# KiCad board architeuthis_dux.kicad_pcb (continued)
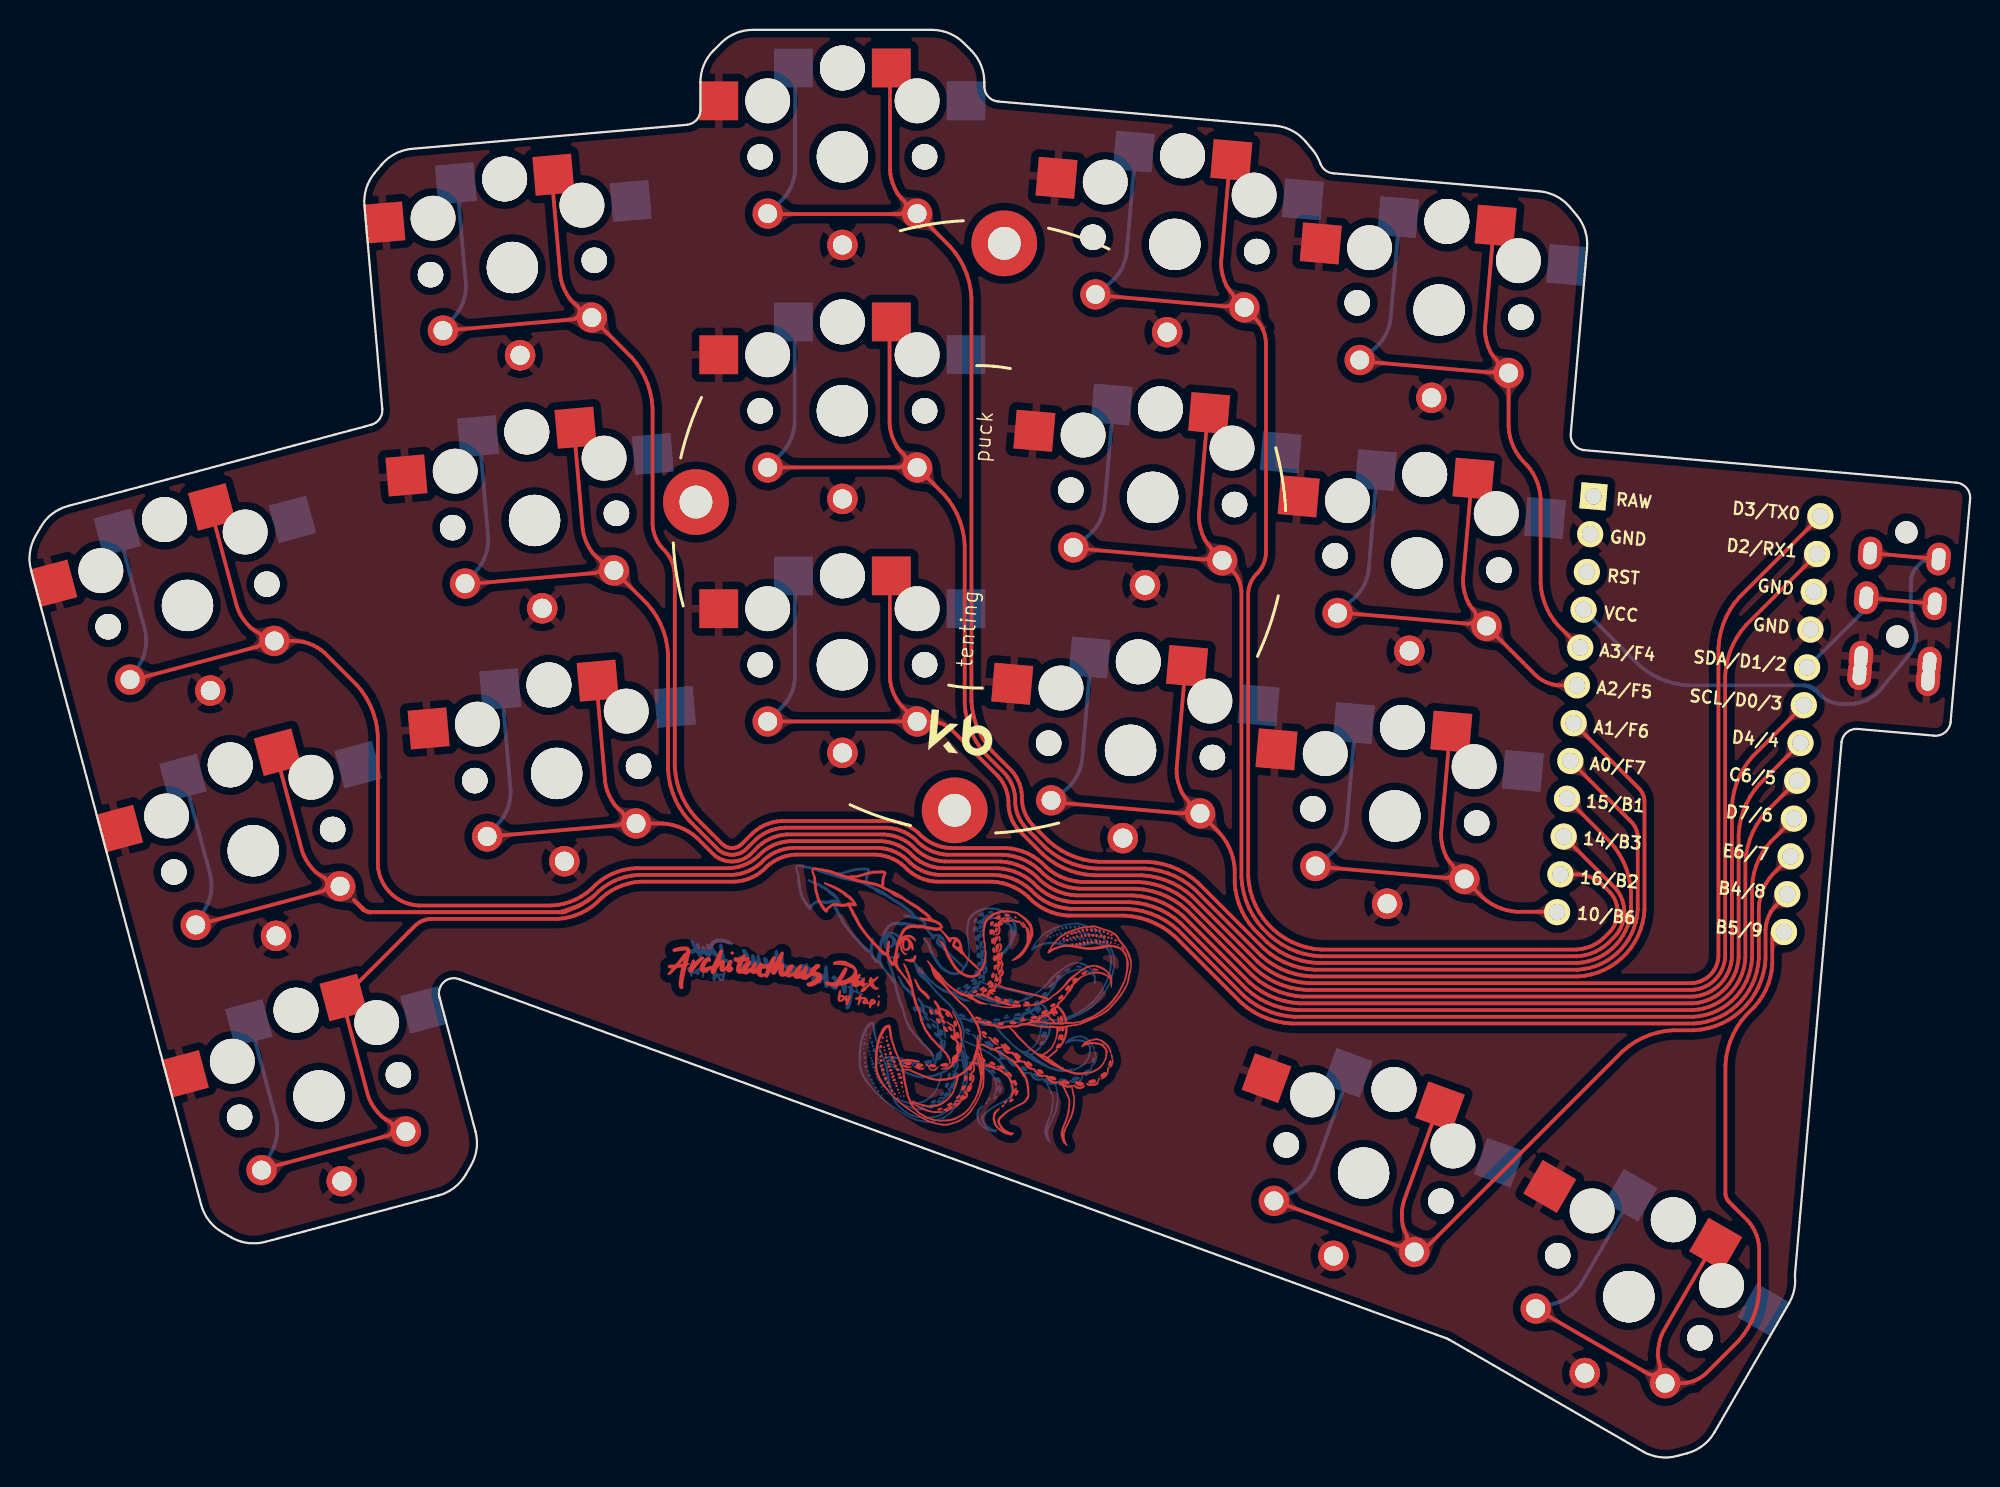
[diagram p0: board, top side]
## Routing (per net, layer and track width the routed paths; a pad name or vN(x,y) marks a point on that pad's centre or on a via; arc(x,y) is an arc through that point) (continued)
  Bottom w0.25: 10.35,45.4 12.08,38.94 12.13,38.63 12.15,38.33 12.14,38.02 12.1,37.72 12.03,37.42 11.94,37.13 11.81,36.85 11.09,35.6
P7: length 140.8
  Top w0.25: 15.49,19.25 23.98,21.53 24.11,21.61 24.22,21.73 24.28,21.88 24.3,22.03 24.28,22.19 24.21,22.33 24.1,22.45 23.81,22.61 23.62,22.75 23.43,22.91 23.27,23.09 23.02,23.41 22.86,23.67 22.73,23.95 22.62,24.23 20.89,30.69 ; C1.22 116.63,39.03 116.41,38.75 116.21,38.45 116.04,38.14 115.9,37.81 115.8,37.47 115.73,37.12 115.69,36.76 115.69,33.39 115.65,32.95 115.56,32.5 115.43,32.07 115.26,31.65 115.05,31.26 114.79,30.88 114.51,30.53 114.19,30.21 113.84,29.93 113.47,29.68 113.07,29.46 112.65,29.29 112.22,29.16 111.78,29.07 111.33,29.03 84.44,29.03 83.91,29.08 83.38,29.18 82.87,29.34 82.38,29.54 81.91,29.8 81.46,30.09 81.05,30.43 76.63,34.85 76.22,35.19 75.78,35.48 75.3,35.74 74.81,35.94 74.3,36.1 73.77,36.2 73.24,36.25 69.48,36.25 69.11,36.29 68.73,36.36 68.37,36.47 68.01,36.62 67.68,36.8 67.36,37.01 67.07,37.25 66.8,37.52 66.5,37.77 66.19,37.98 65.85,38.16 65.5,38.3 65.13,38.41 64.76,38.49 64.38,38.53 60.66,38.53 60.36,38.55 60.06,38.61 59.77,38.7 59.49,38.82 59.22,38.96 58.97,39.13 58.74,39.32 58.52,39.54 58.29,39.73 58.03,39.9 57.77,40.04 57.49,40.16 57.19,40.25 56.9,40.31 56.59,40.34 51.24,40.34 50.94,40.31 50.64,40.25 50.35,40.16 50.07,40.04 49.8,39.9 49.55,39.73 49.31,39.54 49.1,39.32 48.86,39.13 48.61,38.96 48.34,38.82 48.06,38.7 47.77,38.61 47.47,38.55 47.17,38.53 40.9,38.53 40.48,38.48 40.07,38.4 39.67,38.28 39.28,38.12 38.91,37.92 38.56,37.69 38.24,37.42 37.94,37.13 37.62,36.86 37.27,36.63 36.9,36.43 36.51,36.27 36.11,36.15 35.7,36.07 35.29,36.03 26.82,36.03 26.66,36.01 26.51,35.98 26.35,35.93 26.21,35.87 26.06,35.8 25.93,35.71 25.81,35.61 S1.1
  Bottom w0.25: 15.49,19.25 16.21,20.5 16.34,20.78 16.43,21.07 16.5,21.37 16.54,21.67 16.55,21.98 16.53,22.29 16.48,22.59 14.75,29.05
P8: length 66.1
  Top w0.25: 94.23,23.43 91.95,17.15 91.87,16.85 91.82,16.55 91.81,16.25 91.82,15.84 91.86,15.6 91.92,15.37 92,15.14 92.14,14.84 92.16,14.68 92.13,14.53 92.07,14.38 91.96,14.27 91.82,14.19 91.67,14.15 91.51,14.16 83.25,17.16 ; C1.23 116.79,36.87 116.63,36.68 116.5,36.48 116.38,36.26 116.29,36.04 116.22,35.8 116.17,35.56 116.14,35.32 116.14,33.37 116.1,32.88 116,32.39 115.86,31.92 115.67,31.46 115.43,31.02 115.16,30.61 114.84,30.23 114.49,29.88 114.11,29.56 113.7,29.29 113.26,29.06 112.8,28.87 112.33,28.72 111.84,28.63 111.35,28.58 109.97,28.58 109.44,28.53 108.91,28.42 108.4,28.27 107.91,28.06 107.44,27.81 106.99,27.51 106.58,27.17 93.3,13.89 93.25,13.85 93.2,13.82 93.15,13.79 93.09,13.77 93.04,13.75 92.98,13.74 92.92,13.73 S32.1
  Bottom w0.25: 83.25,17.16 84.56,17.77 84.82,17.93 85.07,18.11 85.3,18.31 85.5,18.54 85.69,18.78 85.85,19.05 85.98,19.32 88.27,25.61
P9: length 66.4
  Top w0.25: 100.74,9.94 108.35,5.55 108.51,5.51 108.67,5.52 108.82,5.58 108.94,5.67 109.03,5.8 109.08,5.95 109.09,6.11 109,6.43 108.96,6.67 108.95,6.91 108.96,7.15 109.01,7.55 109.08,7.85 109.18,8.14 109.3,8.42 112.65,14.21 ; S34.1 110.59,4.95 110.83,4.97 111.07,5.02 111.31,5.09 111.54,5.18 111.75,5.3 111.96,5.44 112.15,5.59 114.31,7.76 114.65,8.17 114.95,8.62 115.2,9.09 115.41,9.58 115.56,10.09 115.67,10.62 115.72,11.15 115.72,13.97 115.69,14.27 115.63,14.56 115.55,14.84 115.43,15.11 115.3,15.37 115.13,15.61 114.95,15.84 113.68,17.1 113.63,17.17 113.58,17.24 113.54,17.31 113.51,17.39 113.49,17.47 113.47,17.56 113.46,17.64 113.46,26.26 113.51,26.78 113.61,27.3 113.77,27.8 113.97,28.29 114.22,28.75 114.51,29.19 114.84,29.59 115.42,30.17 115.7,30.52 115.95,30.89 116.16,31.28 116.33,31.69 116.46,32.12 116.55,32.56 116.59,33 116.59,35.08 116.6,35.09 116.6,35.11 116.61,35.12 116.62,35.13 116.63,35.14 116.65,35.15 116.66,35.15 116.67,35.15 117.22,35.15 117.26,35.15 117.29,35.14 117.32,35.12 117.34,35.09 117.36,35.06 117.37,35.03 117.38,35 117.38,34.81 ; 113.38,14.82 S33.1
  Bottom w0.25: 107.15,17.38 103.8,11.59 103.63,11.34 103.42,11.11 103.2,10.9 102.96,10.72 102.7,10.56 102.42,10.42 102.14,10.31 100.74,9.94
P10: length 36.2
  Top w0.25: C1.12 102.18,36.5 102.17,36.51 102.16,36.51 99.55,36.51 99.18,36.54 98.82,36.62 98.47,36.72 98.13,36.86 97.81,37.04 97.5,37.24 97.21,37.48 S26.1 ; 86.03,39.54 94.79,38.77 94.94,38.81 95.08,38.88 95.19,39 95.27,39.14 95.3,39.29 95.28,39.45 95.22,39.6 95,39.85 94.87,40.05 94.75,40.26 94.66,40.48 94.54,40.87 94.47,41.17 94.44,41.47 94.44,41.78 95.02,48.44
  Bottom w0.25: 86.03,39.54 87.14,40.47 87.35,40.69 87.55,40.92 87.71,41.18 87.85,41.45 87.97,41.74 88.05,42.03 88.11,42.33 88.69,48.99
P14: length 87.6
  Top w0.25: C1.10 106.07,38.11 106.22,37.93 106.35,37.73 106.47,37.52 106.56,37.3 106.62,37.08 106.67,36.85 106.69,36.61 106.69,36.37 106.67,36.14 106.62,35.91 106.56,35.68 106.47,35.46 106.35,35.25 106.22,35.06 106.07,34.87 105.59,34.39 105.34,34.19 105.07,34 104.77,33.85 104.47,33.72 104.15,33.62 103.83,33.56 103.5,33.53 86.35,33.53 85.82,33.58 85.3,33.68 84.79,33.84 84.29,34.04 83.82,34.3 83.38,34.59 82.96,34.93 82.48,35.42 82.14,35.83 81.84,36.27 81.59,36.75 81.39,37.24 81.23,37.75 81.13,38.28 81.07,38.81 81.07,57.94 81.05,58.15 81.01,58.36 80.95,58.57 80.87,58.77 80.76,58.96 80.64,59.14 80.51,59.31 S22.1 ; 78.81,69.75 78.23,63.09 78.24,62.79 78.27,62.48 78.33,62.18 78.45,61.8 78.55,61.57 78.66,61.36 78.8,61.16 79.01,60.91 79.08,60.76 79.09,60.61 79.06,60.45 78.99,60.31 78.88,60.2 78.74,60.12 78.59,60.09 69.83,60.85
  Bottom w0.25: 72.49,70.31 71.91,63.64 71.85,63.34 71.76,63.05 71.65,62.77 71.51,62.49 71.34,62.24 71.15,62 70.94,61.78 69.83,60.85
P15: length 75
  Top w0.25: 68.33,43.86 77.09,43.09 77.24,43.12 77.38,43.2 77.49,43.31 77.57,43.46 77.6,43.61 77.58,43.77 77.52,43.91 77.3,44.17 77.17,44.37 77.05,44.58 76.96,44.8 76.83,45.19 76.77,45.49 76.74,45.79 76.74,46.1 77.32,52.76 ; S20.1 79.6,41.8 79.85,41.49 80.06,41.17 80.25,40.83 80.4,40.47 80.51,40.1 80.59,39.71 80.62,39.33 80.62,38.46 80.67,37.97 80.77,37.49 80.91,37.02 81.1,36.56 81.33,36.13 81.6,35.72 81.91,35.34 82.78,34.48 83.19,34.14 83.63,33.85 84.11,33.59 84.6,33.39 85.11,33.23 85.64,33.13 86.17,33.08 103.52,33.08 103.9,33.11 104.26,33.19 104.62,33.3 104.97,33.44 105.3,33.62 105.61,33.82 105.9,34.06 106.16,34.32 106.4,34.61 106.61,34.93 106.78,35.25 106.93,35.6 107.03,35.96 107.11,36.33 107.14,36.7 107.14,37.82 107.09,38.34 106.99,38.87 106.83,39.37 106.63,39.87 106.38,40.34 106.08,40.78 105.75,41.19 C1.9
  Bottom w0.25: 68.33,43.86 69.44,44.79 69.65,45.01 69.84,45.24 70.01,45.5 70.15,45.77 70.27,46.06 70.35,46.35 70.41,46.65 70.99,53.31
P16: length 102
  Top w0.25: 71.31,77.8 80.07,77.03 80.22,77.06 80.36,77.14 80.47,77.25 80.55,77.39 80.58,77.55 80.56,77.71 80.5,77.85 80.28,78.11 80.15,78.31 80.03,78.52 79.94,78.74 79.81,79.13 79.75,79.43 79.72,79.73 79.71,80.04 80.3,86.7 ; S24.1 82.08,76.15 82.23,75.97 82.36,75.77 82.48,75.55 82.57,75.33 82.64,75.09 82.69,74.86 82.71,74.61 82.71,60.49 82.69,60.29 82.66,60.09 82.6,59.9 82.52,59.72 82.43,59.54 82.32,59.38 82.19,59.22 82.05,59.08 81.92,58.93 81.81,58.76 81.72,58.59 81.64,58.4 81.58,58.21 81.54,58.01 81.52,57.82 81.52,38.89 81.57,38.39 81.67,37.89 81.82,37.4 82.02,36.94 82.25,36.49 82.54,36.06 82.86,35.67 83.22,35.31 83.61,34.99 84.03,34.71 84.48,34.47 84.95,34.27 85.44,34.13 85.94,34.03 86.44,33.98 103.48,33.98 103.76,34.01 104.04,34.06 104.32,34.14 104.58,34.25 104.83,34.39 105.07,34.55 105.29,34.73 105.74,35.17 105.86,35.32 105.97,35.48 106.06,35.65 106.13,35.83 106.19,36.02 106.23,36.2 106.24,36.4 106.24,36.59 106.23,36.78 106.19,36.97 106.13,37.15 106.06,37.33 105.97,37.5 105.86,37.66 105.74,37.81 105.19,38.35 105,38.51 104.79,38.65 104.57,38.77 104.34,38.87 104.1,38.94 103.85,38.99 103.6,39.01 C1.11
  Bottom w0.25: 71.31,77.8 72.42,78.73 72.63,78.94 72.82,79.18 72.99,79.44 73.13,79.71 73.25,80 73.33,80.29 73.39,80.59 73.97,87.25
P18: length 130.5
  Top w0.25: 57.56,92.87 57.56,86.18 57.59,85.87 57.65,85.57 57.73,85.28 57.89,84.91 58,84.69 58.14,84.49 58.29,84.31 58.52,84.07 58.6,83.93 58.63,83.78 58.61,83.62 58.55,83.47 58.45,83.35 58.32,83.26 58.17,83.22 49.38,83.22 ; S18.1 61.6,81.02 61.94,80.61 62.24,80.16 62.49,79.69 62.69,79.2 62.85,78.68 62.95,78.16 63,77.63 63,50.63 63.06,50.1 63.16,49.57 63.32,49.06 63.52,48.57 63.77,48.1 64.07,47.65 64.41,47.24 65.69,45.96 65.85,45.76 66,45.54 66.13,45.3 66.23,45.06 66.3,44.8 66.36,44.54 66.38,44.28 66.38,44.01 66.41,43.75 66.46,43.49 66.54,43.24 66.64,42.99 66.76,42.76 66.91,42.54 67.08,42.33 68.16,41.25 68.57,40.91 69.01,40.62 69.48,40.37 69.98,40.16 70.49,40.01 71.01,39.9 71.54,39.85 74.78,39.85 75.31,39.8 75.84,39.7 76.35,39.54 76.84,39.34 77.32,39.08 77.76,38.79 78.17,38.45 82.59,34.03 83,33.69 83.45,33.4 83.92,33.14 84.41,32.94 84.92,32.78 85.45,32.68 85.98,32.63 103.55,32.63 103.96,32.67 104.37,32.75 104.77,32.87 105.16,33.03 105.53,33.23 105.88,33.46 106.2,33.73 106.5,34.02 106.76,34.35 106.99,34.69 107.19,35.06 107.35,35.45 107.47,35.85 107.55,36.26 107.59,36.68 107.59,41.54 107.58,41.69 107.55,41.83 107.51,41.98 107.45,42.11 107.38,42.25 107.3,42.37 107.2,42.49 C1.8
  Bottom w0.25: 51.21,92.87 51.21,86.18 51.18,85.87 51.12,85.57 51.03,85.28 50.91,85 50.77,84.73 50.6,84.47 50.4,84.24 49.38,83.22
P19: length 117.4
  Top w0.25: 57.53,75.91 57.53,69.22 57.56,68.91 57.62,68.61 57.7,68.32 57.86,67.95 57.97,67.73 58.11,67.53 58.26,67.35 58.49,67.11 58.57,66.97 58.6,66.82 58.58,66.66 58.52,66.51 58.42,66.39 58.29,66.3 58.14,66.26 49.35,66.26 ; S16.1 61.15,64.47 61.49,64.05 61.79,63.61 62.04,63.14 62.24,62.65 62.4,62.13 62.5,61.61 62.55,61.08 62.55,50.44 62.61,49.91 62.71,49.39 62.87,48.87 63.07,48.38 63.32,47.91 63.62,47.46 63.96,47.05 65.24,45.77 65.4,45.57 65.55,45.35 65.68,45.12 65.78,44.87 65.85,44.62 65.91,44.36 65.93,44.09 65.93,43.83 65.96,43.56 66.01,43.3 66.09,43.05 66.19,42.81 66.31,42.57 66.46,42.35 66.63,42.15 67.97,40.81 68.38,40.47 68.83,40.17 69.3,39.92 69.79,39.71 70.3,39.56 70.83,39.46 71.36,39.4 74.57,39.4 75.1,39.35 75.63,39.25 76.14,39.09 76.63,38.89 77.11,38.63 77.55,38.34 77.96,38 82.38,33.58 82.79,33.24 83.24,32.95 83.71,32.69 84.2,32.49 84.71,32.33 85.24,32.23 85.77,32.18 103.57,32.18 104.03,32.22 104.48,32.31 104.93,32.45 105.35,32.62 105.76,32.84 106.14,33.1 106.5,33.39 106.83,33.72 107.12,34.08 107.38,34.46 107.6,34.87 107.77,35.3 107.91,35.74 108,36.19 108.04,36.65 108.04,43.91 108.03,44.04 108.01,44.17 107.97,44.29 107.92,44.41 107.86,44.53 107.78,44.64 107.7,44.74 C1.7
  Bottom w0.25: 51.18,75.91 51.18,69.22 51.15,68.91 51.09,68.61 51,68.32 50.88,68.04 50.74,67.77 50.57,67.51 50.37,67.28 49.35,66.26
P20: length 36.8
  Top w0.25: C1.6 102.36,51.67 102.11,51.69 101.87,51.74 101.64,51.81 101.41,51.9 101.19,52.02 100.98,52.16 100.79,52.31 S28.1 ; 87.5,56.56 96.26,55.79 96.41,55.82 96.55,55.9 96.66,56.01 96.74,56.15 96.77,56.31 96.75,56.47 96.69,56.61 96.47,56.87 96.34,57.07 96.22,57.28 96.13,57.5 96,57.88 95.94,58.18 95.91,58.49 95.9,58.79 96.49,65.46
  Bottom w0.25: 90.16,66.01 89.58,59.35 89.52,59.05 89.44,58.75 89.32,58.47 89.18,58.2 89.01,57.94 88.82,57.7 88.61,57.48 87.5,56.56
P21: length 49.1
  Top w0.25: 97.96,82.27 97.38,75.61 97.38,75.3 97.41,75 97.48,74.7 97.6,74.31 97.69,74.09 97.81,73.88 97.94,73.68 98.16,73.43 98.22,73.28 98.24,73.12 98.21,72.97 98.13,72.83 98.02,72.71 97.88,72.64 97.73,72.61 88.97,73.37 ; C1.5 102.26,55.68 101.98,56.02 101.73,56.39 101.52,56.79 101.35,57.2 101.22,57.62 101.14,58.06 101.09,58.5 101.09,64.16 101.06,64.52 100.99,64.87 100.88,65.22 100.75,65.55 100.58,65.87 100.38,66.16 100.15,66.44 99.9,66.7 99.67,66.97 99.47,67.27 99.3,67.59 99.16,67.92 99.06,68.27 98.99,68.62 98.95,68.98 S30.1
  Bottom w0.25: 88.97,73.37 90.08,74.3 90.29,74.52 90.49,74.76 90.65,75.01 90.79,75.28 90.91,75.57 90.99,75.86 91.05,76.16 91.63,82.83

## Copper pours and planes (outline as drawn; the poured copper is in the pictures)
GND on Top: 132.76,96.63 133.42,-4.69 -7.47,-4.69 -8.13,96.76
GND on Bottom: 132.77,96.65 133.42,-4.67 -7.47,-4.7 -8.13,96.74
VCC on Top: 126.13,60.13 126.32,60.11 126.47,60.07 126.59,60.01 126.69,59.95 126.78,59.88 126.87,59.8 126.96,59.71 127.06,59.62 127.17,59.52 127.31,59.43 128.12,60.08 127.44,60.87 127.28,60.8 127.15,60.73 127.04,60.65 126.94,60.58 126.84,60.52 126.74,60.46 126.62,60.42 126.49,60.39 126.34,60.37 126.15,60.38
VCC on Top: 124.74,60.51 124.55,60.53 124.4,60.57 124.28,60.62 124.17,60.69 124.08,60.76 124,60.84 123.91,60.93 123.81,61.02 123.69,61.11 123.55,61.21 122.74,60.55 123.43,59.77 123.58,59.84 123.71,59.91 123.83,59.98 123.93,60.05 124.03,60.12 124.13,60.17 124.24,60.22 124.37,60.25 124.53,60.26 124.71,60.26
VCC on Bottom: 126.41,59.56 126.51,59.64 126.61,59.69 126.7,59.71 126.79,59.7 126.88,59.68 126.97,59.63 127.06,59.58 127.16,59.52 127.26,59.46 127.38,59.4 128.12,60.12 127.16,60.68 127.04,60.57 126.95,60.47 126.47,59.97 126.36,59.86 126.23,59.73
VCC on Bottom: 105.29,55.58 105.15,55.73 105.05,55.87 104.99,56.01 104.95,56.13 104.92,56.26 104.91,56.39 104.9,56.53 104.88,56.67 104.85,56.83 104.8,57.01 103.66,57.04 103.68,55.9 103.86,55.85 104.02,55.81 104.17,55.8 104.3,55.78 104.43,55.77 104.56,55.75 104.69,55.7 104.82,55.64 104.96,55.54 105.11,55.4
P0 on Top: 118.45,59.14 118.6,59.27 118.74,59.37 118.87,59.44 119,59.48 119.13,59.5 119.26,59.52 119.39,59.53 119.54,59.55 119.7,59.58 119.88,59.63 119.9,60.77 118.77,60.75 118.71,60.57 118.68,60.41 118.66,60.26 118.65,60.12 118.64,59.99 118.61,59.87 118.57,59.74 118.51,59.61 118.41,59.47 118.27,59.31
P0 on Top: 39.12,74.94 38.96,75.12 38.85,75.29 38.77,75.44 38.73,75.59 38.7,75.74 38.69,75.89 38.68,76.05 38.66,76.22 38.62,76.41 38.56,76.62 37.24,76.65 37.27,75.33 37.48,75.27 37.67,75.23 37.84,75.21 38,75.2 38.15,75.19 38.3,75.16 38.45,75.12 38.6,75.04 38.77,74.93 38.94,74.77
P0 on Top: 35.94,77.48 36.12,77.32 36.25,77.16 36.34,77.01 36.4,76.86 36.44,76.72 36.47,76.57 36.5,76.41 36.54,76.24 36.6,76.05 36.68,75.85 38,75.97 37.82,77.28 37.61,77.32 37.42,77.33 37.24,77.33 37.08,77.33 36.93,77.33 36.78,77.34 36.63,77.37 36.47,77.43 36.3,77.53 36.11,77.67
P0 on Top: 35.58,75.97 35.82,75.98 36.02,75.96 36.19,75.92 36.34,75.86 36.47,75.79 36.6,75.7 36.73,75.61 36.88,75.51 37.05,75.42 37.25,75.34 38.11,76.34 37.07,77.16 36.89,77.03 36.74,76.91 36.61,76.79 36.5,76.67 36.39,76.56 36.28,76.47 36.15,76.38 35.99,76.31 35.8,76.26 35.56,76.22
P0 on Top: 29.62,75.7 29.39,75.7 29.19,75.72 29.03,75.76 28.89,75.82 28.76,75.9 28.64,75.99 28.51,76.08 28.37,76.18 28.21,76.27 28.01,76.36 27.13,75.38 28.15,74.54 28.33,74.66 28.48,74.78 28.6,74.89 28.71,75.01 28.82,75.11 28.93,75.21 29.06,75.3 29.22,75.37 29.41,75.42 29.64,75.46
P0 on Bottom: 28.82,77.04 28.66,76.86 28.51,76.74 28.36,76.65 28.22,76.59 28.07,76.56 27.92,76.53 27.77,76.51 27.6,76.47 27.42,76.42 27.21,76.34 27.32,75.03 28.63,75.18 28.67,75.39 28.68,75.58 28.68,75.75 28.68,75.91 28.68,76.06 28.69,76.21 28.72,76.36 28.78,76.51 28.87,76.69 29.01,76.88
P1 on Top: 61.41,49.14 61.26,49.28 61.11,49.39 60.98,49.47 60.85,49.53 60.73,49.57 60.61,49.62 60.49,49.68 60.36,49.74 60.23,49.84 60.09,49.97 58.86,49.25 59.81,48.33 59.99,48.44 60.15,48.57 60.29,48.7 60.42,48.84 60.55,48.97 60.68,49.06 60.8,49.12 60.94,49.14 61.08,49.08 61.24,48.96
P1 on Top: 118.67,61.67 118.82,61.8 118.96,61.9 119.09,61.97 119.22,62.01 119.35,62.03 119.48,62.05 119.61,62.06 119.76,62.08 119.92,62.11 120.1,62.16 120.12,63.3 118.99,63.28 118.93,63.1 118.9,62.94 118.88,62.79 118.87,62.65 118.86,62.52 118.83,62.4 118.79,62.27 118.73,62.14 118.63,62 118.49,61.84
P1 on Top: 57.85,50.59 58.01,50.41 58.12,50.25 58.2,50.09 58.24,49.94 58.27,49.8 58.28,49.64 58.29,49.48 58.31,49.31 58.35,49.12 58.41,48.91 59.73,48.89 59.7,50.21 59.49,50.27 59.31,50.3 59.13,50.32 58.97,50.34 58.82,50.35 58.67,50.37 58.53,50.42 58.37,50.49 58.21,50.61 58.03,50.77
P1 on Top: 57.35,49.12 57.59,49.11 57.78,49.07 57.94,49.02 58.08,48.94 58.2,48.86 58.32,48.76 58.44,48.65 58.58,48.55 58.74,48.44 58.93,48.33 59.88,49.25 58.93,50.16 58.74,50.06 58.58,49.95 58.44,49.84 58.32,49.74 58.2,49.64 58.08,49.55 57.94,49.48 57.78,49.42 57.59,49.38 57.35,49.37
P1 on Top: 51.4,49.37 51.16,49.38 50.96,49.42 50.8,49.48 50.66,49.55 50.54,49.64 50.42,49.74 50.3,49.84 50.16,49.95 50.01,50.06 49.81,50.16 48.86,49.25 49.81,48.33 50.01,48.44 50.16,48.55 50.3,48.65 50.42,48.76 50.54,48.86 50.66,48.94 50.8,49.02 50.96,49.07 51.16,49.11 51.4,49.12
P1 on Bottom: 50.72,50.77 50.54,50.61 50.37,50.49 50.22,50.42 50.07,50.37 49.92,50.35 49.77,50.34 49.61,50.32 49.44,50.3 49.25,50.27 49.04,50.21 49.01,48.89 50.33,48.91 50.39,49.12 50.43,49.31 50.45,49.48 50.46,49.64 50.47,49.8 50.5,49.94 50.54,50.09 50.62,50.25 50.73,50.41 50.89,50.59
P2 on Top: 125.87,57.14 126.05,57.12 126.2,57.08 126.33,57.02 126.43,56.96 126.52,56.89 126.61,56.81 126.7,56.72 126.8,56.63 126.91,56.54 127.05,56.44 127.86,57.09 127.18,57.88 127.02,57.81 126.89,57.74 126.78,57.67 126.68,57.6 126.58,57.53 126.48,57.48 126.36,57.43 126.23,57.4 126.08,57.39 125.89,57.39
P2 on Top: 124.48,57.52 124.29,57.54 124.14,57.58 124.02,57.64 123.91,57.7 123.82,57.77 123.74,57.85 123.65,57.94 123.55,58.03 123.43,58.12 123.29,58.22 122.48,57.57 123.16,56.78 123.32,56.85 123.45,56.92 123.56,56.99 123.67,57.06 123.76,57.13 123.87,57.19 123.98,57.23 124.11,57.26 124.27,57.27 124.45,57.27
P2 on Bottom: 122.32,56.08 122.46,56.22 122.59,56.32 122.7,56.41 122.81,56.48 123,56.61 123.1,56.67 123.21,56.75 123.32,56.85 123.45,56.96 122.92,57.93 122.13,57.26 122.17,57.14 122.26,56.93 122.3,56.83 122.32,56.74 122.33,56.64 122.32,56.55 122.29,56.46 122.23,56.36 122.14,56.26
P2 on Bottom: 120.08,54.19 119.92,54.05 119.78,53.95 119.65,53.89 119.52,53.85 119.39,53.82 119.26,53.81 119.13,53.8 118.98,53.78 118.82,53.75 118.64,53.7 118.62,52.56 119.76,52.58 119.81,52.76 119.84,52.92 119.86,53.07 119.87,53.2 119.89,53.33 119.91,53.46 119.95,53.59 120.02,53.72 120.11,53.86 120.25,54.01
P3 on Top: 117.56,49.01 117.71,49.15 117.86,49.25 117.99,49.32 118.12,49.36 118.24,49.38 118.37,49.39 118.51,49.41 118.65,49.42 118.82,49.46 118.99,49.51 119.02,50.65 117.88,50.62 117.83,50.45 117.8,50.28 117.78,50.14 117.76,50 117.75,49.87 117.73,49.74 117.69,49.62 117.62,49.48 117.52,49.34 117.38,49.19
P3 on Top: 40.6,58.01 40.44,58.19 40.33,58.35 40.25,58.51 40.21,58.66 40.18,58.81 40.17,58.96 40.16,59.12 40.14,59.29 40.1,59.48 40.04,59.69 38.72,59.71 38.75,58.39 38.96,58.33 39.15,58.3 39.32,58.28 39.48,58.27 39.63,58.25 39.78,58.23 39.93,58.18 40.08,58.11 40.25,57.99 40.43,57.83
P3 on Top: 37.44,60.51 37.62,60.34 37.74,60.19 37.83,60.04 37.89,59.89 37.93,59.75 37.96,59.6 37.99,59.44 38.03,59.28 38.09,59.09 38.18,58.89 39.49,59.05 39.28,60.35 39.07,60.38 38.89,60.39 38.72,60.39 38.56,60.38 38.41,60.37 38.26,60.38 38.11,60.41 37.96,60.46 37.79,60.56 37.6,60.7
P3 on Top: 37.06,59 37.31,59.01 37.52,58.99 37.69,58.95 37.83,58.89 37.97,58.82 38.1,58.73 38.24,58.64 38.39,58.55 38.56,58.47 38.77,58.39 39.59,59.42 38.52,60.2 38.34,60.07 38.2,59.94 38.08,59.82 37.97,59.7 37.87,59.59 37.75,59.49 37.62,59.41 37.47,59.34 37.28,59.28 37.04,59.25
P3 on Top: 31.12,58.73 30.88,58.72 30.69,58.74 30.53,58.79 30.39,58.85 30.26,58.93 30.14,59.02 30.02,59.11 29.88,59.21 29.72,59.32 29.53,59.41 28.61,58.46 29.59,57.58 29.78,57.7 29.94,57.81 30.07,57.93 30.18,58.04 30.3,58.14 30.41,58.24 30.55,58.32 30.7,58.39 30.9,58.45 31.14,58.48
P3 on Bottom: 30.32,60.06 30.16,59.89 30.01,59.77 29.86,59.69 29.72,59.64 29.58,59.6 29.43,59.58 29.28,59.56 29.11,59.54 28.93,59.49 28.73,59.42 28.78,58.1 30.1,58.21 30.15,58.42 30.17,58.6 30.17,58.77 30.17,58.93 30.17,59.08 30.18,59.23 30.21,59.38 30.27,59.54 30.37,59.71 30.51,59.9
P4 on Top: 42.59,42.54 42.35,42.56 42.15,42.59 41.99,42.65 41.85,42.72 41.73,42.81 41.61,42.91 41.49,43.01 41.36,43.12 41.2,43.23 41.01,43.33 40.06,42.42 41.01,41.5 41.2,41.61 41.36,41.72 41.49,41.83 41.61,41.93 41.73,42.03 41.85,42.11 41.99,42.19 42.15,42.24 42.35,42.28 42.59,42.29
P4 on Top: 117.34,46.48 117.49,46.62 117.63,46.72 117.77,46.79 117.89,46.83 118.02,46.85 118.15,46.86 118.29,46.88 118.43,46.89 118.59,46.93 118.77,46.98 118.8,48.12 117.66,48.09 117.61,47.91 117.57,47.75 117.56,47.61 117.54,47.47 117.53,47.34 117.51,47.21 117.46,47.09 117.4,46.95 117.3,46.81 117.16,46.66
P4 on Top: 38.94,43.61 39.11,43.45 39.24,43.3 39.33,43.15 39.38,43.01 39.42,42.86 39.45,42.71 39.47,42.55 39.51,42.38 39.56,42.2 39.64,42 40.95,42.09 40.81,43.4 40.59,43.45 40.4,43.46 40.23,43.47 40.07,43.46 39.92,43.46 39.77,43.47 39.62,43.51 39.46,43.56 39.29,43.66 39.1,43.81
P4 on Top: 38.56,42.11 38.8,42.11 39,42.09 39.17,42.05 39.31,41.99 39.44,41.92 39.57,41.83 39.7,41.74 39.84,41.64 40.01,41.55 40.21,41.46 41.07,42.47 40.03,43.28 39.85,43.16 39.71,43.04 39.58,42.92 39.47,42.8 39.37,42.7 39.25,42.6 39.12,42.51 38.97,42.44 38.78,42.39 38.54,42.35
P4 on Top: 32.62,41.84 32.38,41.83 32.18,41.85 32.01,41.89 31.87,41.95 31.74,42.03 31.61,42.12 31.48,42.21 31.34,42.31 31.17,42.4 30.97,42.49 30.1,41.51 31.11,40.67 31.3,40.79 31.45,40.91 31.58,41.03 31.69,41.14 31.8,41.25 31.91,41.34 32.05,41.43 32.2,41.5 32.4,41.55 32.64,41.59
P4 on Bottom: 31.82,43.17 31.65,42.99 31.5,42.87 31.35,42.78 31.21,42.72 31.06,42.69 30.91,42.66 30.76,42.64 30.59,42.61 30.4,42.56 30.2,42.48 30.27,41.16 31.58,41.29 31.63,41.5 31.65,41.69 31.66,41.86 31.66,42.02 31.66,42.18 31.67,42.33 31.7,42.48 31.76,42.64 31.86,42.81 32.01,43.01
P5 on Top: 18.39,54.76 18.15,54.78 17.95,54.81 17.79,54.87 17.65,54.94 17.53,55.03 17.41,55.13 17.29,55.23 17.15,55.34 16.99,55.45 16.8,55.55 15.85,54.64 16.8,53.72 16.99,53.83 17.15,53.94 17.29,54.05 17.41,54.15 17.53,54.25 17.65,54.33 17.79,54.41 17.95,54.46 18.15,54.5 18.39,54.51
P5 on Top: 117.12,43.95 117.27,44.09 117.41,44.19 117.54,44.26 117.67,44.3 117.8,44.32 117.93,44.33 118.06,44.35 118.21,44.36 118.37,44.4 118.55,44.45 118.57,45.59 117.44,45.56 117.38,45.38 117.35,45.22 117.33,45.08 117.32,44.94 117.31,44.81 117.28,44.68 117.24,44.56 117.18,44.42 117.08,44.28 116.94,44.13
P5 on Top: 14.56,55.47 14.76,55.34 14.91,55.21 15.02,55.08 15.1,54.95 15.16,54.82 15.22,54.67 15.27,54.53 15.34,54.37 15.43,54.2 15.55,54.02 16.81,54.41 16.38,55.66 16.17,55.65 15.98,55.62 15.82,55.59 15.67,55.55 15.53,55.52 15.38,55.5 15.23,55.5 15.07,55.52 14.89,55.59 14.69,55.69
P5 on Top: 14.45,53.92 14.7,53.97 14.9,53.99 15.08,53.98 15.23,53.95 15.38,53.9 15.52,53.84 15.67,53.78 15.83,53.72 16.02,53.67 16.24,53.63 16.84,54.81 15.64,55.36 15.5,55.2 15.38,55.05 15.29,54.9 15.21,54.77 15.13,54.64 15.03,54.53 14.93,54.42 14.79,54.32 14.61,54.24 14.39,54.16
P5 on Top: 8.64,52.62 8.41,52.58 8.22,52.56 8.05,52.58 7.9,52.61 7.77,52.67 7.63,52.74 7.5,52.81 7.34,52.89 7.17,52.97 6.96,53.03 6.2,51.96 7.31,51.24 7.48,51.38 7.62,51.52 7.73,51.65 7.83,51.78 7.92,51.9 8.02,52.02 8.14,52.12 8.29,52.22 8.47,52.31 8.71,52.38
P5 on Bottom: 7.62,53.8 7.5,53.6 7.37,53.46 7.25,53.36 7.12,53.28 6.98,53.23 6.84,53.19 6.69,53.14 6.53,53.09 6.36,53.02 6.18,52.92 6.42,51.63 7.71,51.92 7.72,52.14 7.72,52.33 7.7,52.5 7.67,52.65 7.65,52.8 7.63,52.95 7.64,53.1 7.67,53.27 7.73,53.46 7.84,53.67
P6 on Top: 22.28,36.87 22.12,37.05 22.01,37.22 21.93,37.37 21.89,37.52 21.86,37.67 21.85,37.82 21.84,37.98 21.82,38.15 21.78,38.34 21.72,38.55 20.4,38.58 20.43,37.26 20.64,37.2 20.83,37.16 21,37.14 21.16,37.13 21.31,37.12 21.46,37.09 21.61,37.05 21.76,36.97 21.93,36.86 22.1,36.7
P6 on Top: 116.9,41.42 117.05,41.56 117.19,41.66 117.32,41.72 117.45,41.77 117.58,41.79 117.71,41.8 117.84,41.82 117.99,41.83 118.15,41.87 118.33,41.92 118.35,43.06 117.22,43.03 117.16,42.85 117.13,42.69 117.11,42.55 117.1,42.41 117.09,42.28 117.06,42.15 117.02,42.03 116.96,41.89 116.86,41.75 116.72,41.6
P6 on Top: 22.14,37.01 22.02,37.15 21.93,37.28 21.86,37.4 21.82,37.53 21.79,37.65 21.78,37.77 21.78,37.89 21.78,38.14 21.77,38.28 20.4,38.58 20.7,37.2 20.84,37.2 21.09,37.2 21.21,37.2 21.33,37.18 21.45,37.16 21.57,37.12 21.7,37.05 21.83,36.96 21.96,36.84
P6 on Top: 18.93,39.1 19.13,38.96 19.29,38.83 19.4,38.7 19.48,38.57 19.55,38.43 19.6,38.29 19.66,38.14 19.73,37.98 19.82,37.81 19.94,37.62 21.21,37.98 20.8,39.23 20.59,39.23 20.4,39.21 20.23,39.18 20.07,39.15 19.92,39.12 19.77,39.1 19.62,39.11 19.45,39.14 19.27,39.2 19.05,39.31
P6 on Top: 18.83,37.55 19.07,37.6 19.27,37.62 19.45,37.6 19.6,37.57 19.74,37.52 19.88,37.46 20.03,37.39 20.19,37.32 20.38,37.26 20.59,37.22 21.25,38.36 20.08,38.97 19.92,38.82 19.8,38.67 19.7,38.53 19.61,38.39 19.52,38.27 19.43,38.15 19.32,38.05 19.17,37.95 18.99,37.86 18.77,37.79
P6 on Top: 13.01,36.25 12.78,36.2 12.59,36.18 12.42,36.2 12.27,36.24 12.13,36.29 12,36.36 11.86,36.43 11.7,36.5 11.52,36.57 11.32,36.62 10.61,35.51 11.75,34.85 11.91,34.99 12.03,35.14 12.14,35.27 12.23,35.4 12.32,35.53 12.41,35.64 12.53,35.75 12.67,35.85 12.85,35.93 13.08,36.01
P6 on Bottom: 11.99,37.42 11.86,37.22 11.73,37.07 11.61,36.96 11.47,36.88 11.34,36.83 11.2,36.78 11.05,36.72 10.89,36.66 10.72,36.58 10.53,36.47 10.85,35.19 12.11,35.55 12.12,35.77 12.1,35.96 12.08,36.13 12.05,36.28 12.02,36.43 12,36.58 12.01,36.73 12.04,36.9 12.1,37.08 12.21,37.29
P7 on Top: 116.68,38.89 116.83,39.03 116.97,39.13 117.1,39.19 117.23,39.24 117.36,39.26 117.49,39.27 117.62,39.29 117.77,39.3 117.93,39.33 118.11,39.39 118.13,40.53 116.99,40.5 116.94,40.32 116.91,40.16 116.89,40.02 116.88,39.88 116.87,39.75 116.84,39.62 116.8,39.5 116.74,39.36 116.64,39.22 116.5,39.07
P7 on Top: 23.35,22.74 23.55,22.61 23.7,22.48 23.81,22.35 23.89,22.21 23.95,22.08 24.01,21.93 24.06,21.78 24.12,21.62 24.19,21.44 24.3,21.25 25.59,21.53 25.27,22.81 25.04,22.82 24.85,22.81 24.68,22.79 24.52,22.77 24.36,22.74 24.21,22.73 24.05,22.74 23.88,22.77 23.69,22.84 23.47,22.95
P7 on Top: 23.22,21.2 23.45,21.25 23.65,21.26 23.82,21.25 23.97,21.21 24.11,21.16 24.24,21.09 24.38,21.02 24.54,20.94 24.72,20.87 24.92,20.81 25.66,21.91 24.53,22.6 24.36,22.45 24.23,22.31 24.12,22.17 24.03,22.04 23.94,21.92 23.84,21.8 23.72,21.7 23.57,21.6 23.39,21.51 23.16,21.44
P7 on Top: 17.41,19.9 17.17,19.85 16.97,19.83 16.8,19.84 16.64,19.88 16.5,19.93 16.36,19.99 16.21,20.05 16.05,20.12 15.86,20.17 15.65,20.22 15.02,19.06 16.2,18.47 16.35,18.63 16.47,18.78 16.56,18.92 16.65,19.05 16.73,19.18 16.83,19.3 16.94,19.4 17.08,19.5 17.25,19.58 17.48,19.66
P7 on Bottom: 16.38,21.05 16.25,20.85 16.12,20.69 15.99,20.58 15.85,20.49 15.72,20.43 15.57,20.37 15.42,20.31 15.26,20.24 15.09,20.15 14.9,20.03 15.26,18.76 16.52,19.17 16.51,19.39 16.49,19.58 16.46,19.75 16.43,19.91 16.4,20.06 16.39,20.2 16.39,20.36 16.42,20.53 16.49,20.72 16.6,20.93
P8 on Top: 94.2,14.97 94.04,14.83 93.9,14.74 93.76,14.68 93.62,14.65 93.48,14.65 93.34,14.67 93.19,14.69 93.03,14.72 92.86,14.74 92.66,14.75 92.18,13.52 93.43,13.09 93.57,13.28 93.67,13.46 93.75,13.62 93.8,13.78 93.85,13.94 93.91,14.09 93.97,14.25 94.07,14.42 94.2,14.6 94.38,14.8
P8 on Top: 116.45,36.36 116.61,36.5 116.75,36.6 116.88,36.66 117.01,36.7 117.13,36.73 117.26,36.74 117.4,36.75 117.55,36.77 117.71,36.8 117.89,36.86 117.91,38 116.77,37.97 116.72,37.79 116.69,37.63 116.67,37.49 116.66,37.35 116.64,37.22 116.62,37.09 116.58,36.97 116.51,36.83 116.42,36.69 116.28,36.54
P8 on Top: 91.68,15.53 91.77,15.3 91.82,15.11 91.84,14.94 91.83,14.78 91.8,14.63 91.76,14.49 91.72,14.33 91.68,14.16 91.64,13.97 91.63,13.76 92.86,13.27 93.29,14.52 93.11,14.65 92.95,14.75 92.79,14.83 92.65,14.89 92.51,14.96 92.38,15.04 92.25,15.13 92.13,15.25 92.02,15.42 91.9,15.63
P8 on Top: 90.7,14.32 90.92,14.22 91.09,14.12 91.23,14.01 91.33,13.9 91.41,13.77 91.49,13.64 91.57,13.5 91.66,13.35 91.77,13.2 91.91,13.03 93.12,13.56 92.55,14.75 92.33,14.71 92.15,14.67 91.98,14.61 91.83,14.56 91.69,14.51 91.54,14.47 91.39,14.45 91.21,14.45 91.02,14.48 90.79,14.55
P8 on Top: 85.2,16.59 84.97,16.68 84.8,16.78 84.67,16.89 84.56,17.01 84.48,17.13 84.4,17.26 84.32,17.4 84.23,17.55 84.12,17.71 83.97,17.87 82.77,17.32 83.36,16.14 83.57,16.18 83.76,16.23 83.92,16.28 84.07,16.34 84.22,16.39 84.36,16.43 84.51,16.46 84.69,16.45 84.88,16.42 85.11,16.35
P8 on Bottom: 85.03,18.13 84.81,18.04 84.62,17.99 84.44,17.97 84.29,17.98 84.14,18.01 83.99,18.05 83.84,18.09 83.67,18.13 83.48,18.16 83.26,18.17 82.79,16.94 84.04,16.52 84.17,16.7 84.27,16.86 84.34,17.02 84.41,17.16 84.47,17.3 84.55,17.43 84.64,17.56 84.76,17.68 84.93,17.79 85.14,17.91
P9 on Top: 116.72,33.88 116.73,33.99 116.76,34.07 116.8,34.14 116.86,34.19 116.93,34.22 117.01,34.25 117.1,34.26 117.19,34.27 117.29,34.28 117.39,34.28 117.77,35.35 116.5,35.15 116.5,35 116.5,34.87 116.5,34.75 116.48,34.33 116.47,34.2 116.47,34.06 116.47,33.88
